# Altium PCB DM2097.PcbDoc (part 1 of 7)
Units mm, origin at the board's own origin, x right, y up, seen from the top; angles counter-clockwise.
Board outline 115 x 46 mm, 6 copper layers (Top Copper, GND 1, PWR, Signal Layer 1, GND 2, Bottom Copper), stack 1.599 mm thick; 405 components, 357 nets, 1577 pads, 915 vias.
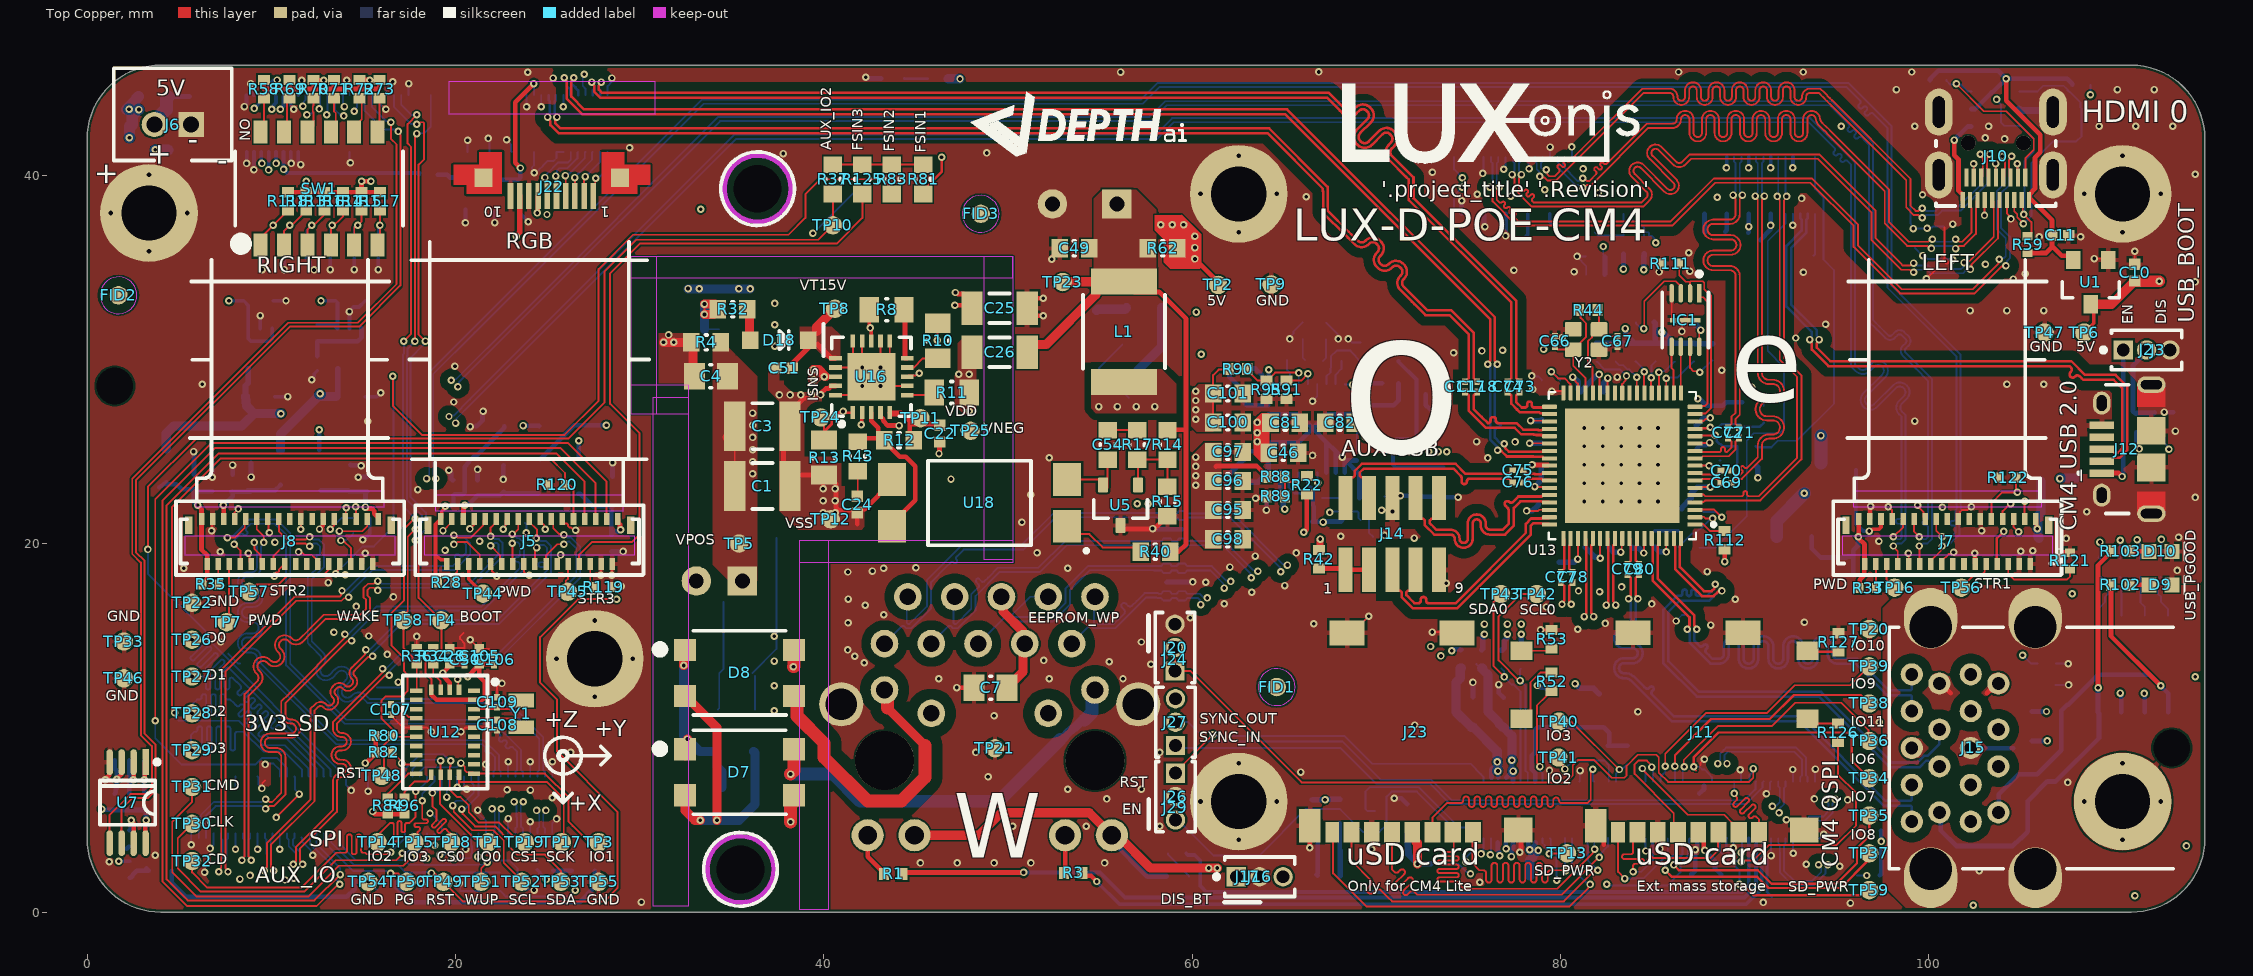
[diagram p0: Top Copper view]
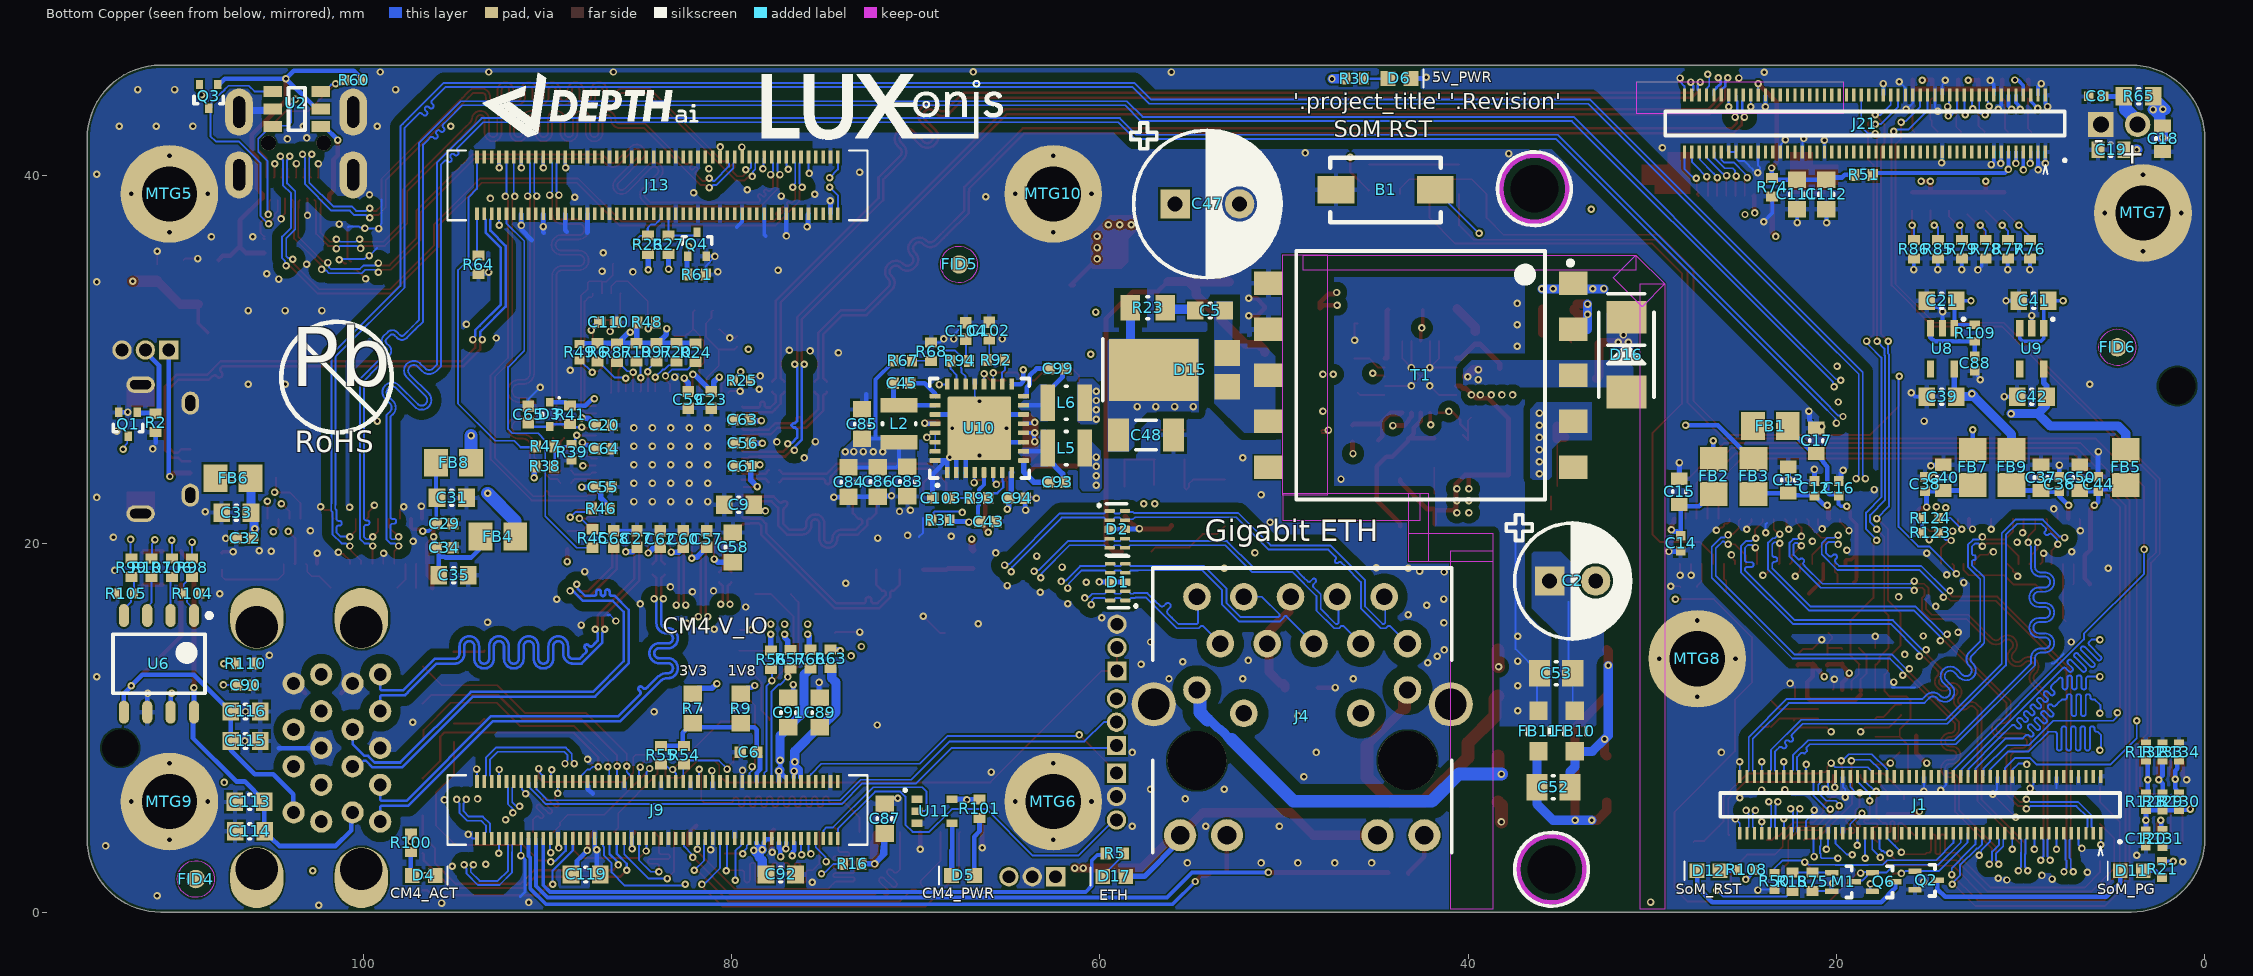
[diagram p1: Bottom Copper view, seen from below]
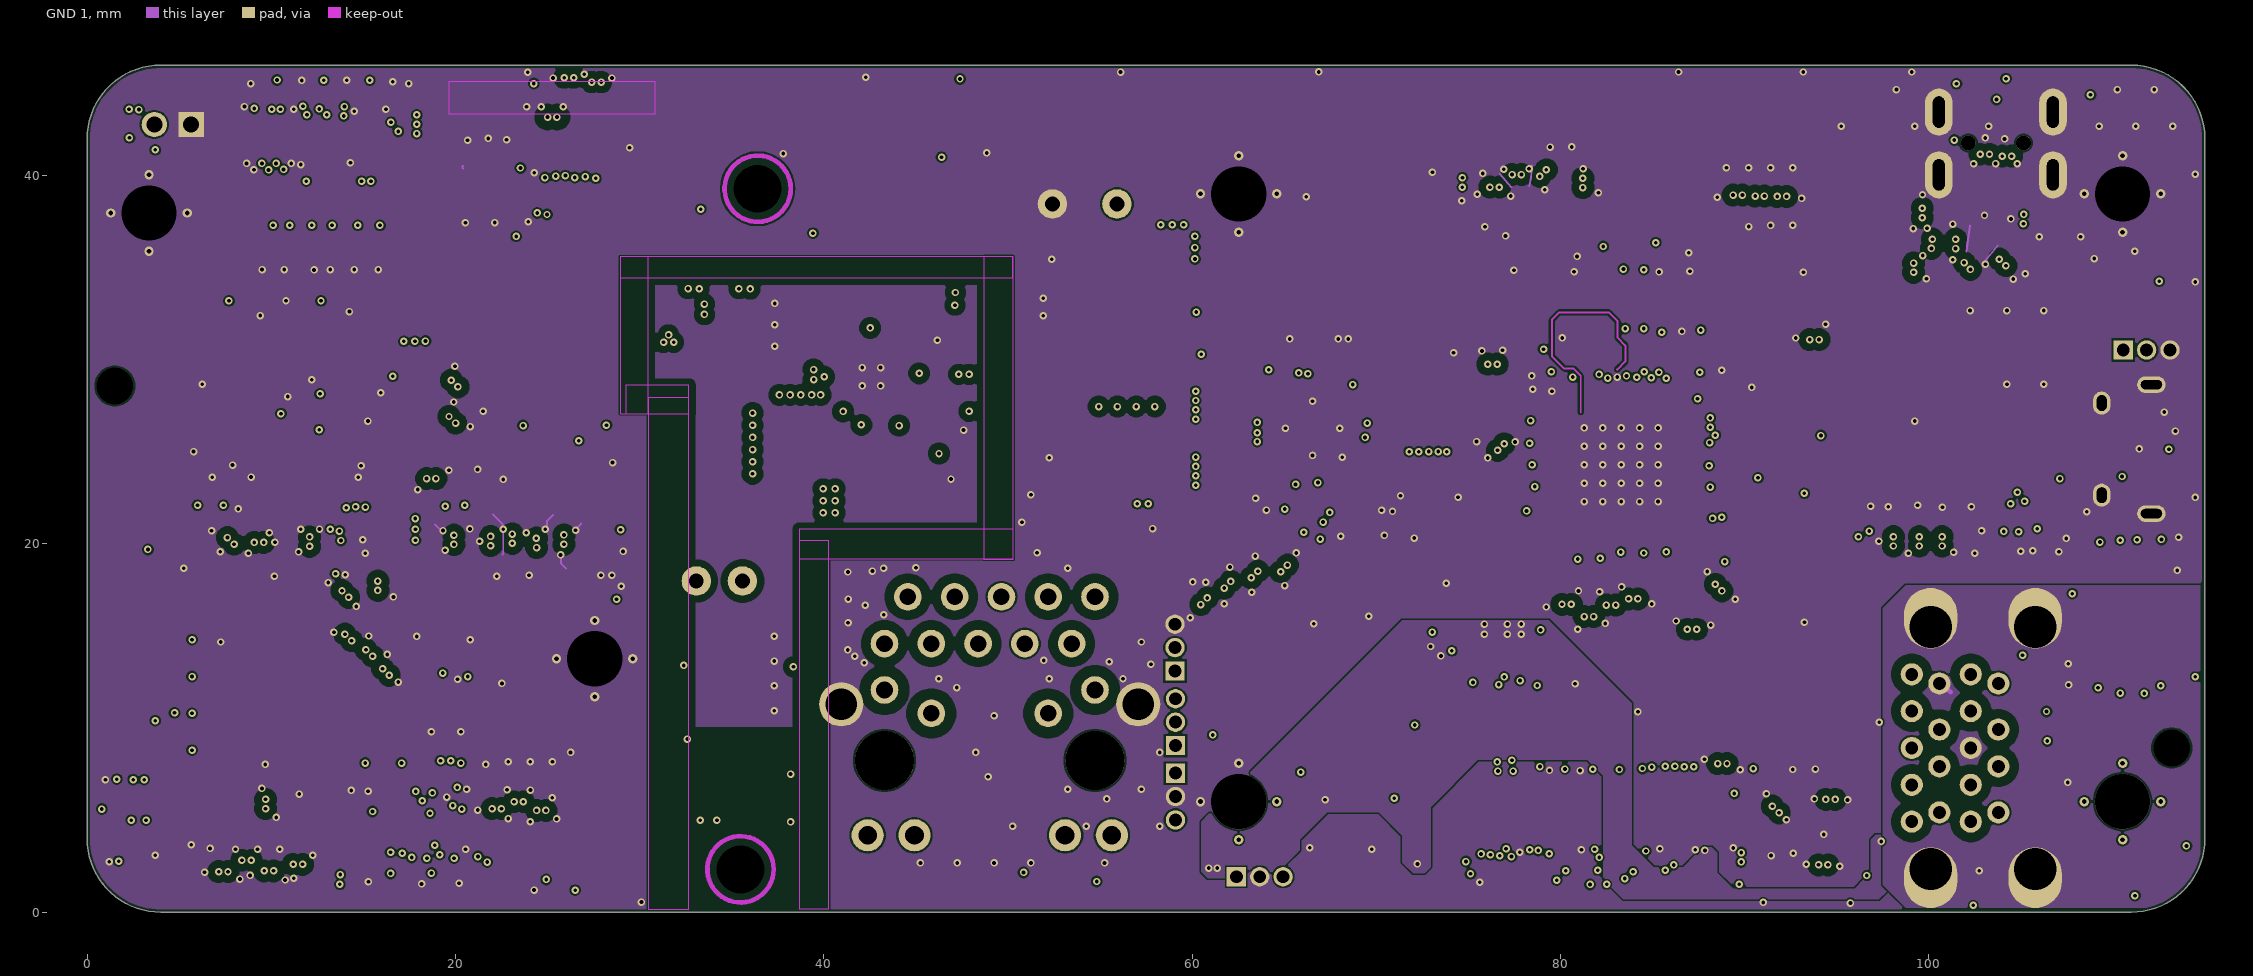
[diagram p2: GND 1]
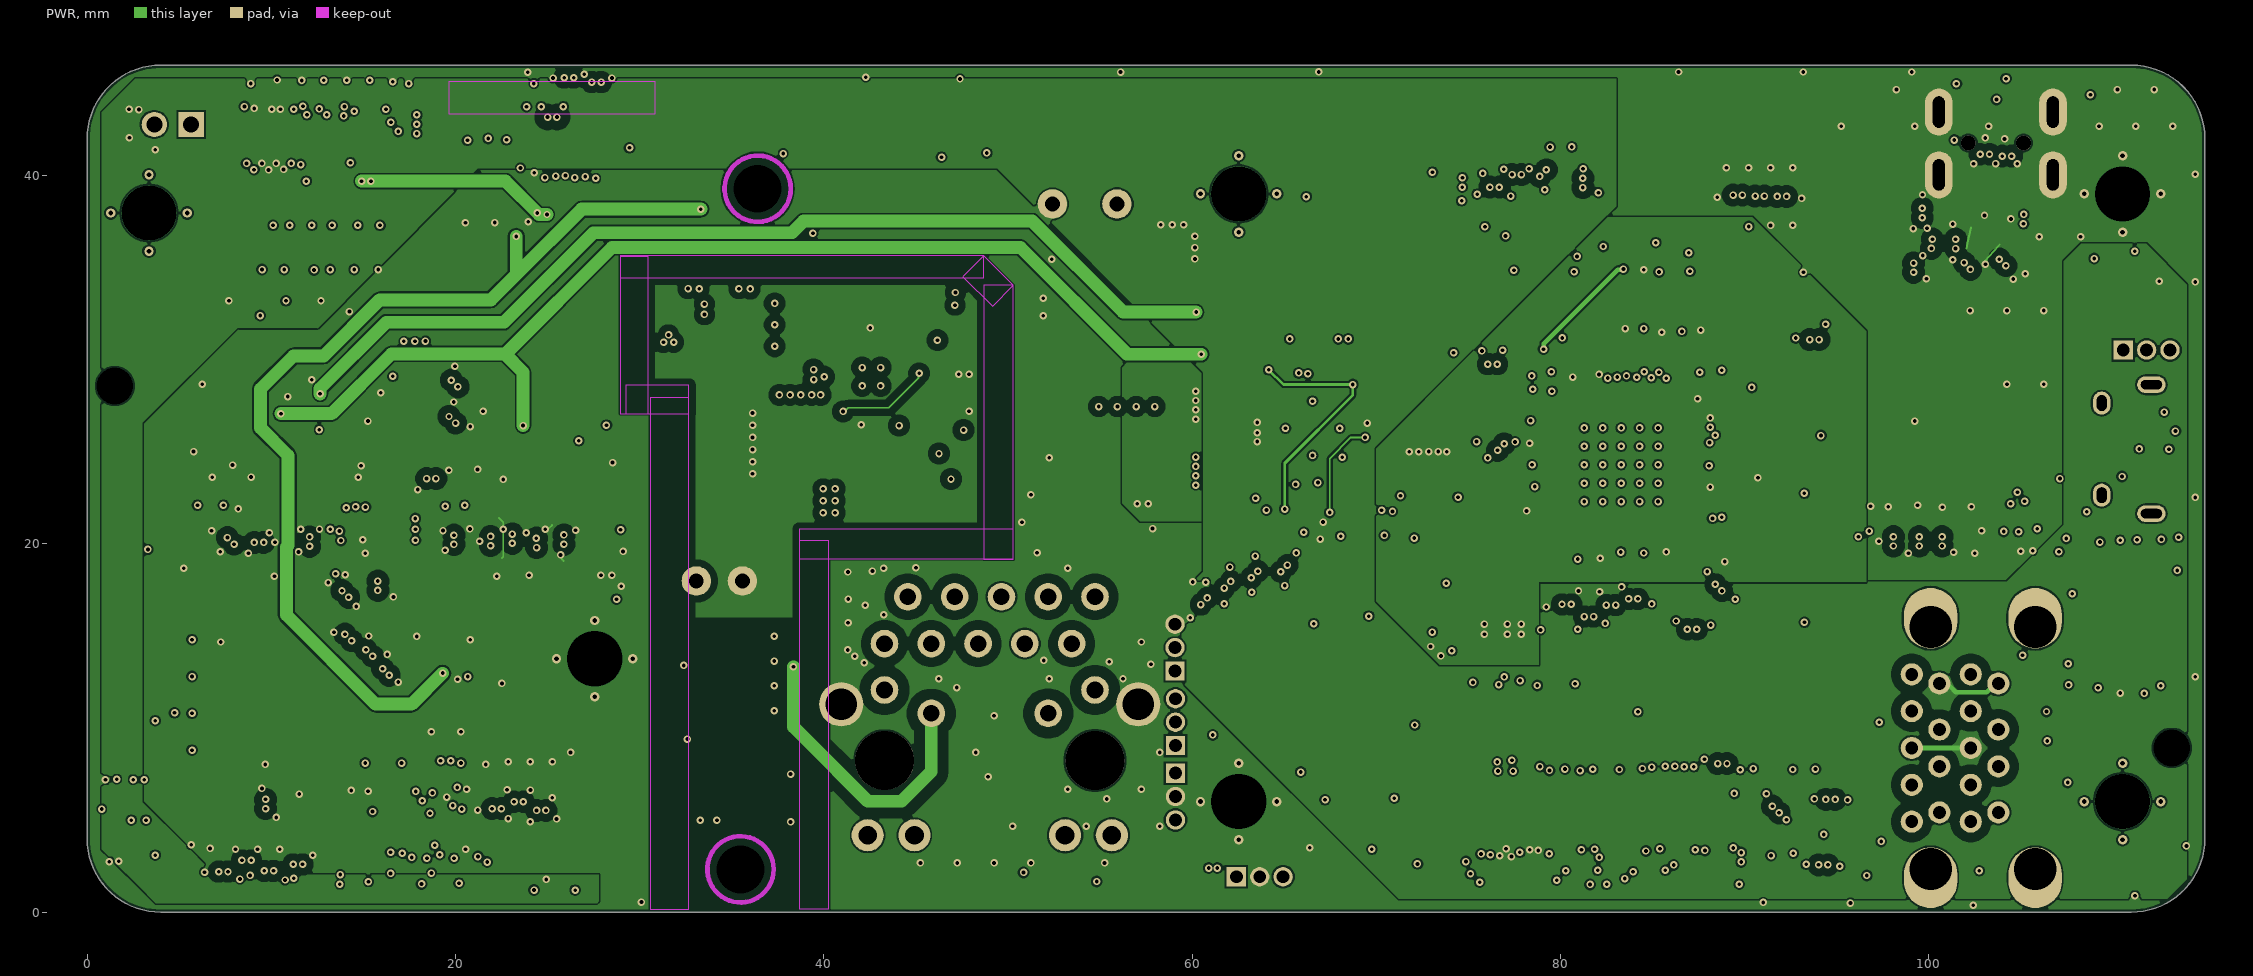
[diagram p3: PWR]
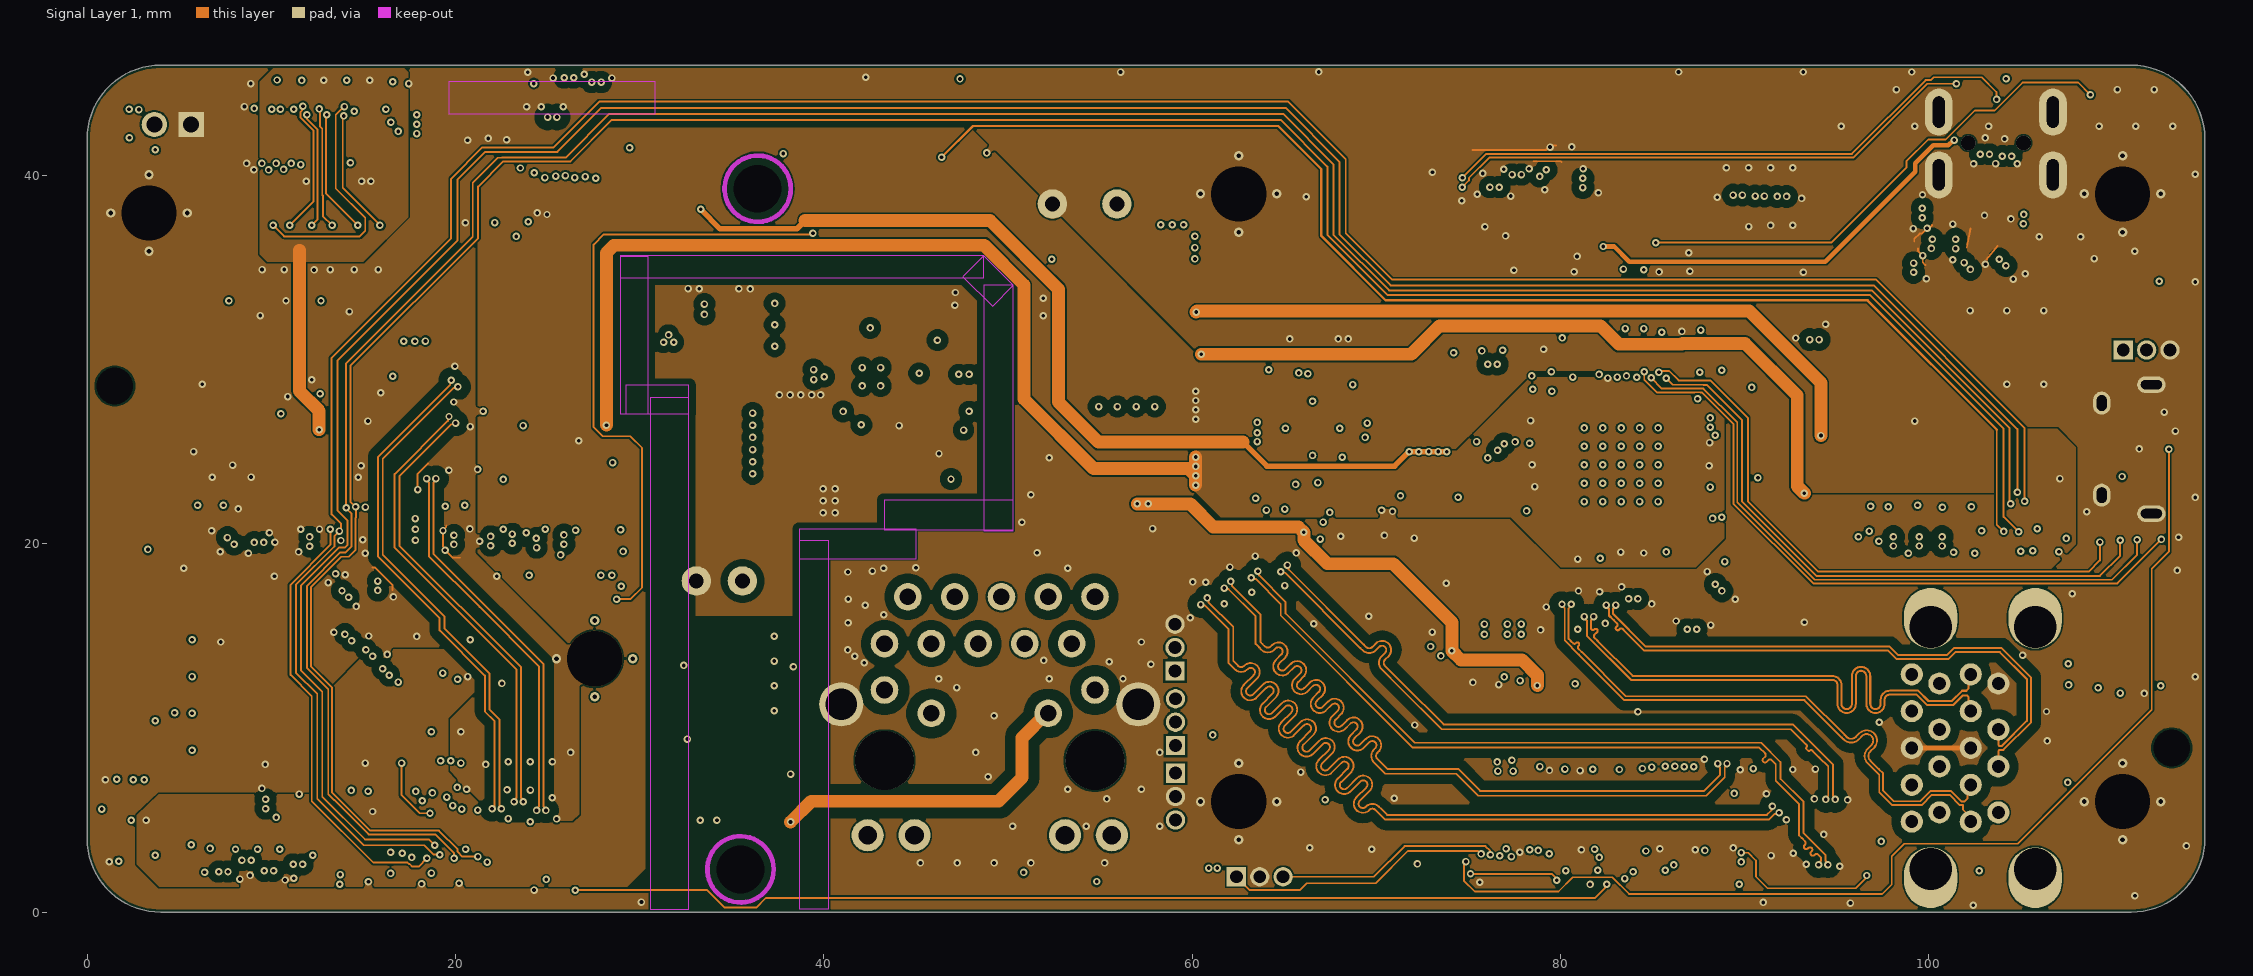
[diagram p4: Signal Layer 1]
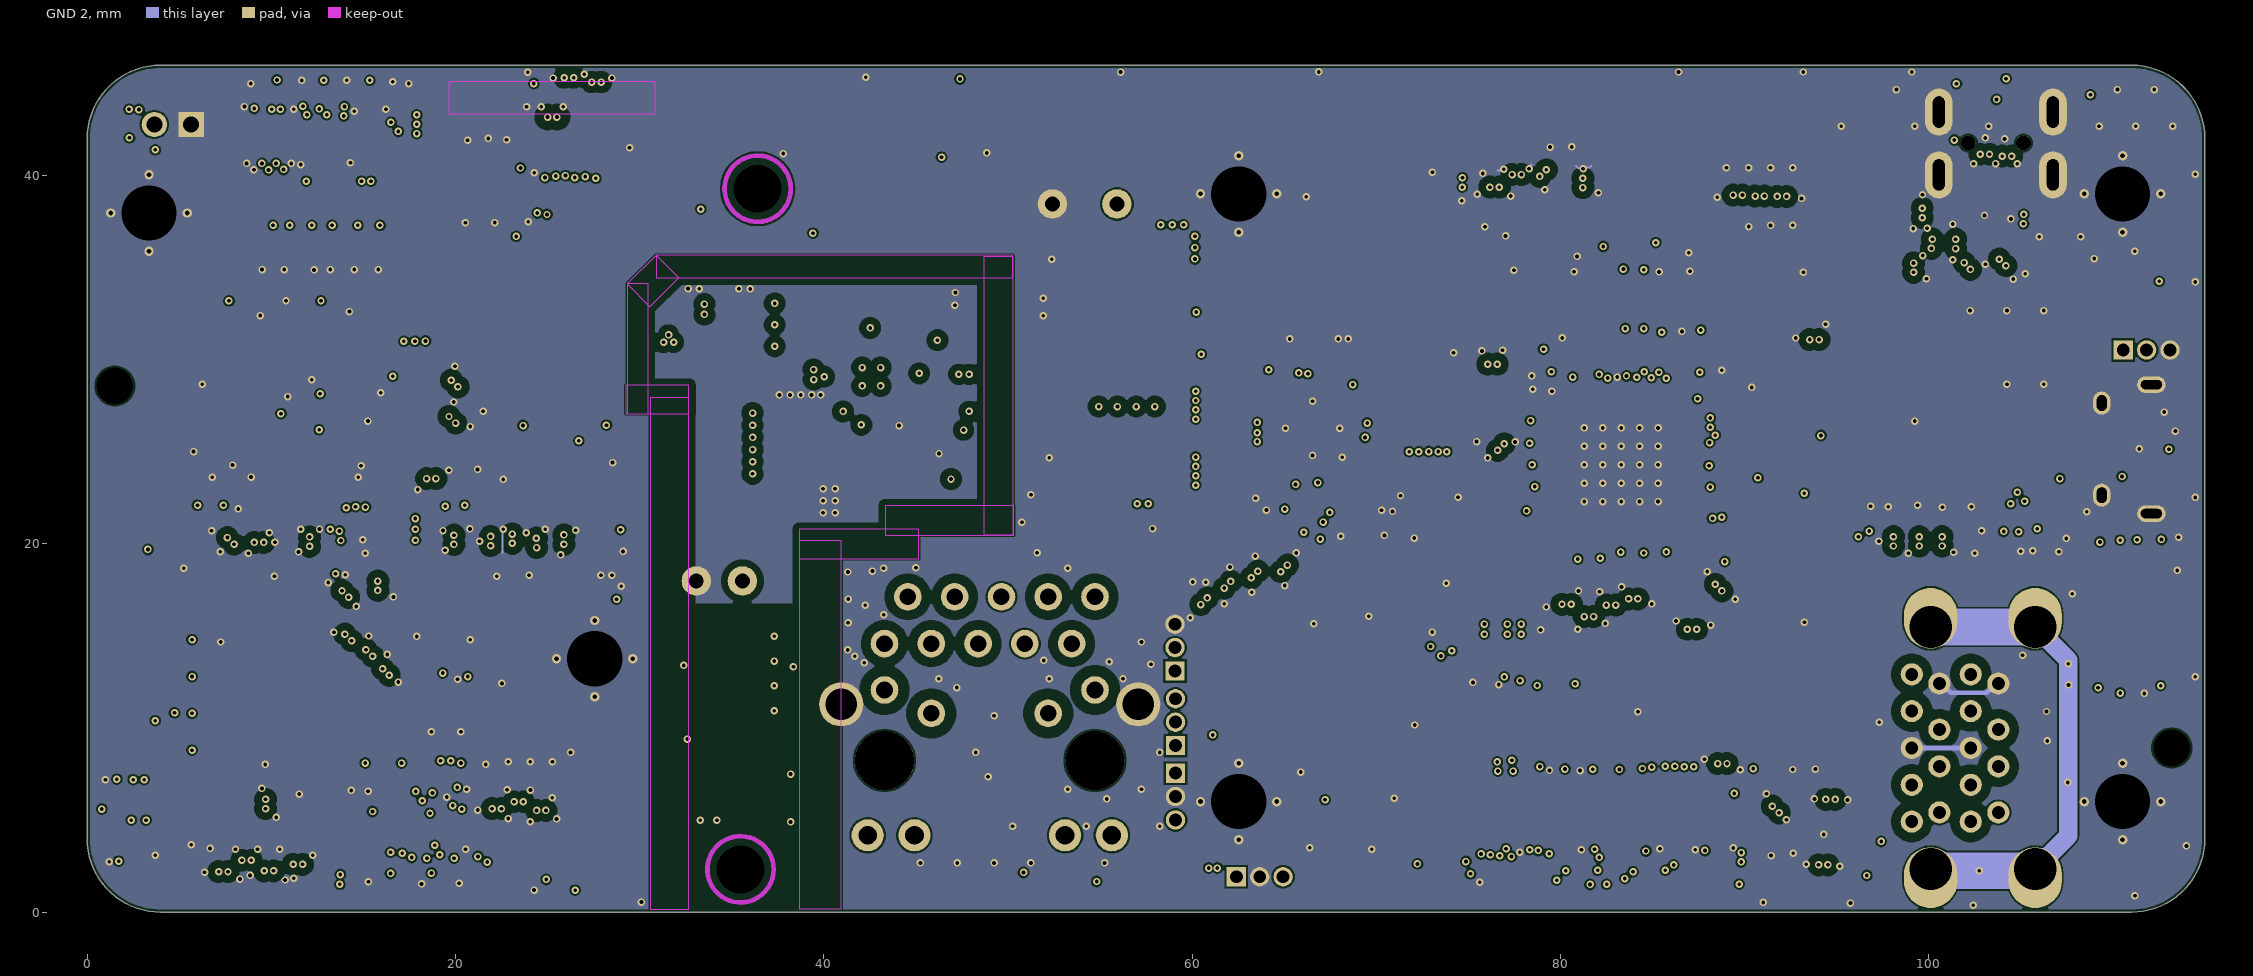
[diagram p5: GND 2]

## Layer stack, top to bottom
Top Mask: solder mask 0.015, Solder Resist, Dk 3.8
Top Copper: signal copper 0.035
Dielectric 1: prepreg 0.1, 2313, Dk 4.05
GND 1: signal copper 0.018
Core 1: core 0.565, FR-4, Dk 4.5
PWR: signal copper 0.018
Dielectric 2: prepreg 0.127, 2116, Dk 4.25
Signal Layer 1: signal copper 0.018
Core 2: core 0.565, FR-4, Dk 4.5
GND 2: signal copper 0.018
Dielectric 3: prepreg 0.1, 2313, Dk 4.05
Bottom Copper: signal copper 0.035
Bottom Mask: solder mask 0.015, Solder Resist, Dk 3.8

## Board outline
0,4 0,42 cw(c4,42) 4,46 111,46 cw(c111,42) 115,42 115,4 cw(c111,4) 111,0 4,0 cw(c4,4)

## Design rules (kind name [scope] priority, off if disabled: settings)
AssemblyTestPointUsage [All] p1: valid=2
AssemblyTestpoint [(IsPad And (OnTopLayer Or OnBottomLayer)) Or (IsVia) Or (IsPad And OnMultiLayer)] p1: testpointundercomponent=FALSE minsize=0.381 maxsize=2.54 preferedsize=1.27 minholesize=0 maxholesize=1.016 preferedholesize=0.813 testpointgrid=0.025 usegrid=FALSE gridtolerance=0 allowsidetop=TRUE allowsidebottom=TRUE minspacing=1.27 compbodyclearance=1.27
BoardOutlineClearance [All] p1: gap=0.15 ignorepadtopadclearanceinfootprint=FALSE
Clearance PoE [InNetClass('PoE')] p1: gap=0.254 ignorepadtopadclearanceinfootprint=TRUE except(0.105: Arc-SMDPad Track-SMDPad; 0.203: Arc-Arc Arc-Track Track-Track; 0.381: Arc-Fill Arc-Poly Arc-Region Track-Fill Track-Poly Track-Region SMDPad-Fill SMDPad-Poly SMDPad-Region THPad-Fill THPad-Poly THPad-Region Via-Fill Via-Poly Via-Region Fill-Fill Fill-Poly Fill-Region Poly-Poly Poly-Region Region-Region)
Clearance PoE_SELV [InNetClass('PoE_SELV')] p2: gap=0.254 ignorepadtopadclearanceinfootprint=TRUE except(0.105: Arc-SMDPad Track-SMDPad; 0.203: Arc-Arc Arc-Track Track-Track; 0.6: Arc-Fill Arc-Poly Arc-Region Track-Fill Track-Poly Track-Region SMDPad-Fill SMDPad-Poly SMDPad-Region THPad-Fill THPad-Poly THPad-Region Via-Fill Via-Poly Via-Region Fill-Fill Fill-Poly Fill-Region Poly-Poly Poly-Region Region-Region)
Clearance Diff_Pair_Spacing [(InDifferentialPairClass('All Differential Pairs'))] p3: gap=0.102 ignorepadtopadclearanceinfootprint=TRUE except(0.508: Arc-Poly Track-Poly SMDPad-Poly THPad-Poly Via-Poly Fill-Poly Poly-Poly)
Clearance general [All] p4: gap=0.102 ignorepadtopadclearanceinfootprint=TRUE
ComponentClearance [All] p1 off: gap=0.025 collisioncheckmode=3 verticalgap=0.2 showdistances=FALSE
DiffPairsRouting 90ohm_diff_pair [InDifferentialPairClass('90ohm')] p1: maxlimit=0.254 minlimit=0.1 mostfreqgap=0.127 toplayer_mingap=0.12 toplayer_maxgap=0.127 toplayer_prefgap=0.127 toplayer_minwidth=0.135 toplayer_maxwidth=0.145 toplayer_prefwidth=0.14 midlayer2_maxgap=0.104 midlayer2_prefgap=0.104 midlayer2_minwidth=0.1 midlayer2_maxwidth=0.11 midlayer2_prefwidth=0.102 midlayer3_maxgap=0.104 midlayer3_prefgap=0.104 midlayer3_minwidth=0.1 midlayer3_maxwidth=0.11 midlayer3_prefwidth=0.102 bottomlayer_mingap=0.12 bottomlayer_maxgap=0.127 bottomlayer_prefgap=0.127 bottomlayer_minwidth=0.135 bottomlayer_maxwidth=0.145 bottomlayer_prefwidth=0.14 impedanceprofiledriven=TRUE impedanceprofileid={990A9F6D-B7AB-4A8E-92FD-2BD6E6E27252} impedanceprofilevalue=90.000000 maxuncoupledlength=12.7
DiffPairsRouting 100ohm_Diff_pair [InDifferentialPairClass('100ohm')] p2: maxlimit=0.254 minlimit=0.12 mostfreqgap=0.16 toplayer_maxgap=0.135 toplayer_prefgap=0.127 toplayer_minwidth=0.1 toplayer_maxwidth=0.102 toplayer_prefwidth=0.101 midlayer2_mingap=0.155 midlayer2_maxgap=0.165 midlayer2_minwidth=0.1 midlayer2_maxwidth=0.102 midlayer2_prefwidth=0.101 midlayer3_mingap=0.155 midlayer3_maxgap=0.165 midlayer3_minwidth=0.1 midlayer3_maxwidth=0.102 midlayer3_prefwidth=0.101 bottomlayer_maxgap=0.135 bottomlayer_prefgap=0.127 bottomlayer_minwidth=0.1 bottomlayer_maxwidth=0.102 bottomlayer_prefwidth=0.101 impedanceprofiledriven=TRUE impedanceprofileid={7D4BF060-880D-498E-96B2-591CE49F8FB2} impedanceprofilevalue=100.000000 maxuncoupledlength=12.7
FabricationTestPointUsage [All] p1: valid=2 allowmultiple=TRUE
FabricationTestpoint [(IsPad And (OnTopLayer Or OnBottomLayer)) Or (IsVia) Or (IsPad And OnMultiLayer)] p1: side=3 testpointundercomponent=TRUE minsize=0.381 maxsize=2.54 preferedsize=1.27 minholesize=0 maxholesize=1.016 preferedholesize=0.813 testpointgrid=0.025 allowsidetop=TRUE allowsidebottom=TRUE usegrid=FALSE gridtolerance=0 minspacing=1.27 boardedgeclearance=0.254
HoleSize [All] p1: absolutevalues=TRUE maxlimit=7.62 minlimit=0.2 maxpercent=80.000 minpercent=20.000
MatchedLengths "Schematic Matched Net Lengths_1" [InNetClass('uSD2')] p1: tolerance=25.4 checknetsindiffpair=FALSE checkdiffpairvsdiffpair=TRUE checkxsignals=TRUE checkothers=TRUE usedelayunits=TRUE delaytolerance=10.000000
MatchedLengths XSIG_CON2 [InxSignalClass('USB_CON2')] p2: tolerance=2.54 checknetsindiffpair=FALSE checkdiffpairvsdiffpair=TRUE checkxsignals=TRUE checkothers=TRUE usedelayunits=TRUE delaytolerance=1.000000
MatchedLengths XSIG_CON1 [InxSignalClass('XSIG_CON1')] p3: tolerance=2.54 checknetsindiffpair=FALSE checkdiffpairvsdiffpair=TRUE checkxsignals=TRUE checkothers=TRUE usedelayunits=TRUE delaytolerance=1.000000
MatchedLengths XSIG_SoM [InxSignalClass('USB_SoM')] p4: tolerance=2.54 checknetsindiffpair=FALSE checkdiffpairvsdiffpair=TRUE checkxsignals=TRUE checkothers=TRUE usedelayunits=TRUE delaytolerance=1.000000
MatchedLengths XSIG_AUX [InxSignalClass('USB_AUX')] p5: tolerance=2.54 checknetsindiffpair=FALSE checkdiffpairvsdiffpair=TRUE checkxsignals=TRUE checkothers=TRUE usedelayunits=TRUE delaytolerance=1.000000
MatchedLengths XSIGPCIe [InxSignalClass('xSignals_PCIe')] p6: tolerance=2.54 checknetsindiffpair=FALSE checkdiffpairvsdiffpair=TRUE checkxsignals=TRUE checkothers=TRUE usedelayunits=TRUE delaytolerance=1.000000
MatchedLengths XSIG_SPI [InxSignalClass('xSignals_SPI')] p7: tolerance=2.54 checknetsindiffpair=FALSE checkdiffpairvsdiffpair=TRUE checkxsignals=TRUE checkothers=TRUE usedelayunits=TRUE delaytolerance=20.000000
MatchedLengths XSIG_SPI_TP [InxSignalClass('xSignals_SPI_TP')] p8: tolerance=2.54 checknetsindiffpair=FALSE checkdiffpairvsdiffpair=TRUE checkxsignals=TRUE checkothers=TRUE usedelayunits=TRUE delaytolerance=50.000000
MatchedLengths "Schematic Matched Net Lengths_10" [InNetClass('ETH')] p9: tolerance=25.4 checknetsindiffpair=FALSE checkdiffpairvsdiffpair=TRUE checkxsignals=TRUE checkothers=TRUE usedelayunits=TRUE delaytolerance=10.000000
MatchedLengths "Schematic Matched Net Lengths_9" [InNetClass('uSD')] p10: tolerance=25.4 checknetsindiffpair=FALSE checkdiffpairvsdiffpair=TRUE checkxsignals=TRUE checkothers=TRUE usedelayunits=TRUE delaytolerance=10.000000
MatchedLengths "Schematic Matched Net Lengths_8" [InNetClass('HDMI')] p11: tolerance=25.4 checknetsindiffpair=FALSE checkdiffpairvsdiffpair=TRUE checkxsignals=TRUE checkothers=TRUE usedelayunits=TRUE delaytolerance=10.000000
MatchedLengths "Schematic Matched Net Lengths_6" [InNetClass('SDIO')] p12: tolerance=25.4 checknetsindiffpair=FALSE checkdiffpairvsdiffpair=TRUE checkxsignals=TRUE checkothers=TRUE usedelayunits=TRUE delaytolerance=20.000000
MatchedLengths "Schematic Matched Net Lengths_4" [InNetClass('MIPI_CAM_B')] p13: tolerance=25.4 checknetsindiffpair=FALSE checkdiffpairvsdiffpair=TRUE checkxsignals=TRUE checkothers=TRUE usedelayunits=TRUE delaytolerance=1.000000
MatchedLengths "Schematic Matched Net Lengths_2" [InNetClass('MIPI_CAM_A')] p14: tolerance=25.4 checknetsindiffpair=FALSE checkdiffpairvsdiffpair=TRUE checkxsignals=TRUE checkothers=TRUE usedelayunits=TRUE delaytolerance=1.000000
MatchedLengths "Schematic Matched Net Lengths" [InNetClass('MIPI_CAM_C')] p15: tolerance=25.4 checknetsindiffpair=FALSE checkdiffpairvsdiffpair=TRUE checkxsignals=TRUE checkothers=TRUE usedelayunits=TRUE delaytolerance=1.000000
MatchedLengths DIFF_PAIR [InDifferentialPairClass('All Differential Pairs')] p16: tolerance=0.127 checknetsindiffpair=TRUE checkdiffpairvsdiffpair=FALSE checkxsignals=FALSE checkothers=FALSE usedelayunits=TRUE delaytolerance=0.500000
MinimumSolderMaskSliver MinimumSolderMaskSliver_isvia [IsVia] p1: minsoldermaskwidth=0
MinimumSolderMaskSliver [All] p2: minsoldermaskwidth=0.06
NetAntennae [All] p1: netantennaetolerance=0.01
PlaneConnect [All] p1: pad.planeconnectstyle=Relief pad.reliefexpansion=0.508 pad.reliefentries=4 pad.reliefconductorwidth=0.254 pad.reliefairgap=0.254 via.planeconnectstyle=Direct via.reliefexpansion=0.508 via.reliefentries=4 via.reliefconductorwidth=0.254 via.reliefairgap=0.254
PolygonConnect OuterLayerGND_PolyClass [InNet('GND')AND (OnBottomLayer or OnTopLayer)] p1: thpad.connectstyle=Direct thpad.reliefconductorwidth=0.254 thpad.reliefentries=4 thpad.polygonreliefangle="90 Angle" thpad.airgapwidth=0.254 smdpad.connectstyle=Relief smdpad.reliefconductorwidth=0.254 smdpad.reliefentries=4 smdpad.polygonreliefangle="90 Angle" smdpad.airgapwidth=0.127 via.connectstyle=Direct via.reliefconductorwidth=0.254 via.reliefentries=4 via.polygonreliefangle="90 Angle" via.airgapwidth=0.254
PolygonConnect GenericPoly [All] p2: connectstyle=Direct reliefconductorwidth=0.254 reliefentries=4 polygonreliefangle="90 Angle" airgapwidth=0.254
RoutingCorners [All] p1: cornerstyle=45-Degree minsetback=0.254 maxsetback=0.254
RoutingVias Diff_pair_vias [InDifferentialPairClass('All Differential Pairs')] p1: holewidth=0.711 width=1.27 viastyle="Through Hole" minholewidth=0.711 minwidth=1.27 maxholewidth=0.711 maxwidth=1.27 useviatemplates=TRUE viatemplateguid#1={52BECDD7-DB76-4075-9825-308AA568E8C7} viatemplatename#1=v41h20m0mx0
RoutingVias [All] p2: holewidth=0.203 width=0.406 viastyle="Through Hole" minholewidth=0.2 minwidth=0.4 maxholewidth=25.4 maxwidth=25.4 viatemplateguid#1={52BECDD7-DB76-4075-9825-308AA568E8C7} viatemplateguid#2={DFD8D5F6-C493-4F14-85EE-ABBFA8E9D12F} viatemplatename#1=v41h20m0mx0 viatemplatename#2=v51h25m0mx0
SilkToSilkClearance [All] p1: silktosilkclearance=0.102
SilkToSolderMaskClearance SilkscreenOverComponentPads [IsPad] p1: minsilkscreentomaskgap=0 clearancetoexposedcopper=FALSE
SolderMaskExpansion [All] p1: expansion=0.051 istentingtop=FALSE
ViasUnderSMD [All] p1: allowed=TRUE
Width "Schematic Width Constraint_1" [InNetClass('PoE')] p1: maxlimit=1.27 minlimit=0.102 preferedwidth=0.381
Width Power_Trace [InNetClass('Power_trace')] p2: maxlimit=2.54 minlimit=0.102 preferedwidth=0.762 minimp=50.000000 maximp=50.000000 favimp=50.000000
Width GND [InNet('GND')] p3: maxlimit=0.508 minlimit=0.102 preferedwidth=0.254
Width [All] p4: maxlimit=2.54 minlimit=0.102 preferedwidth=0.127
17 further rules are at their usual default settings.
